# Altium PCB PJ_GRA_F.PcbDoc (part 1 of 2) (continued)
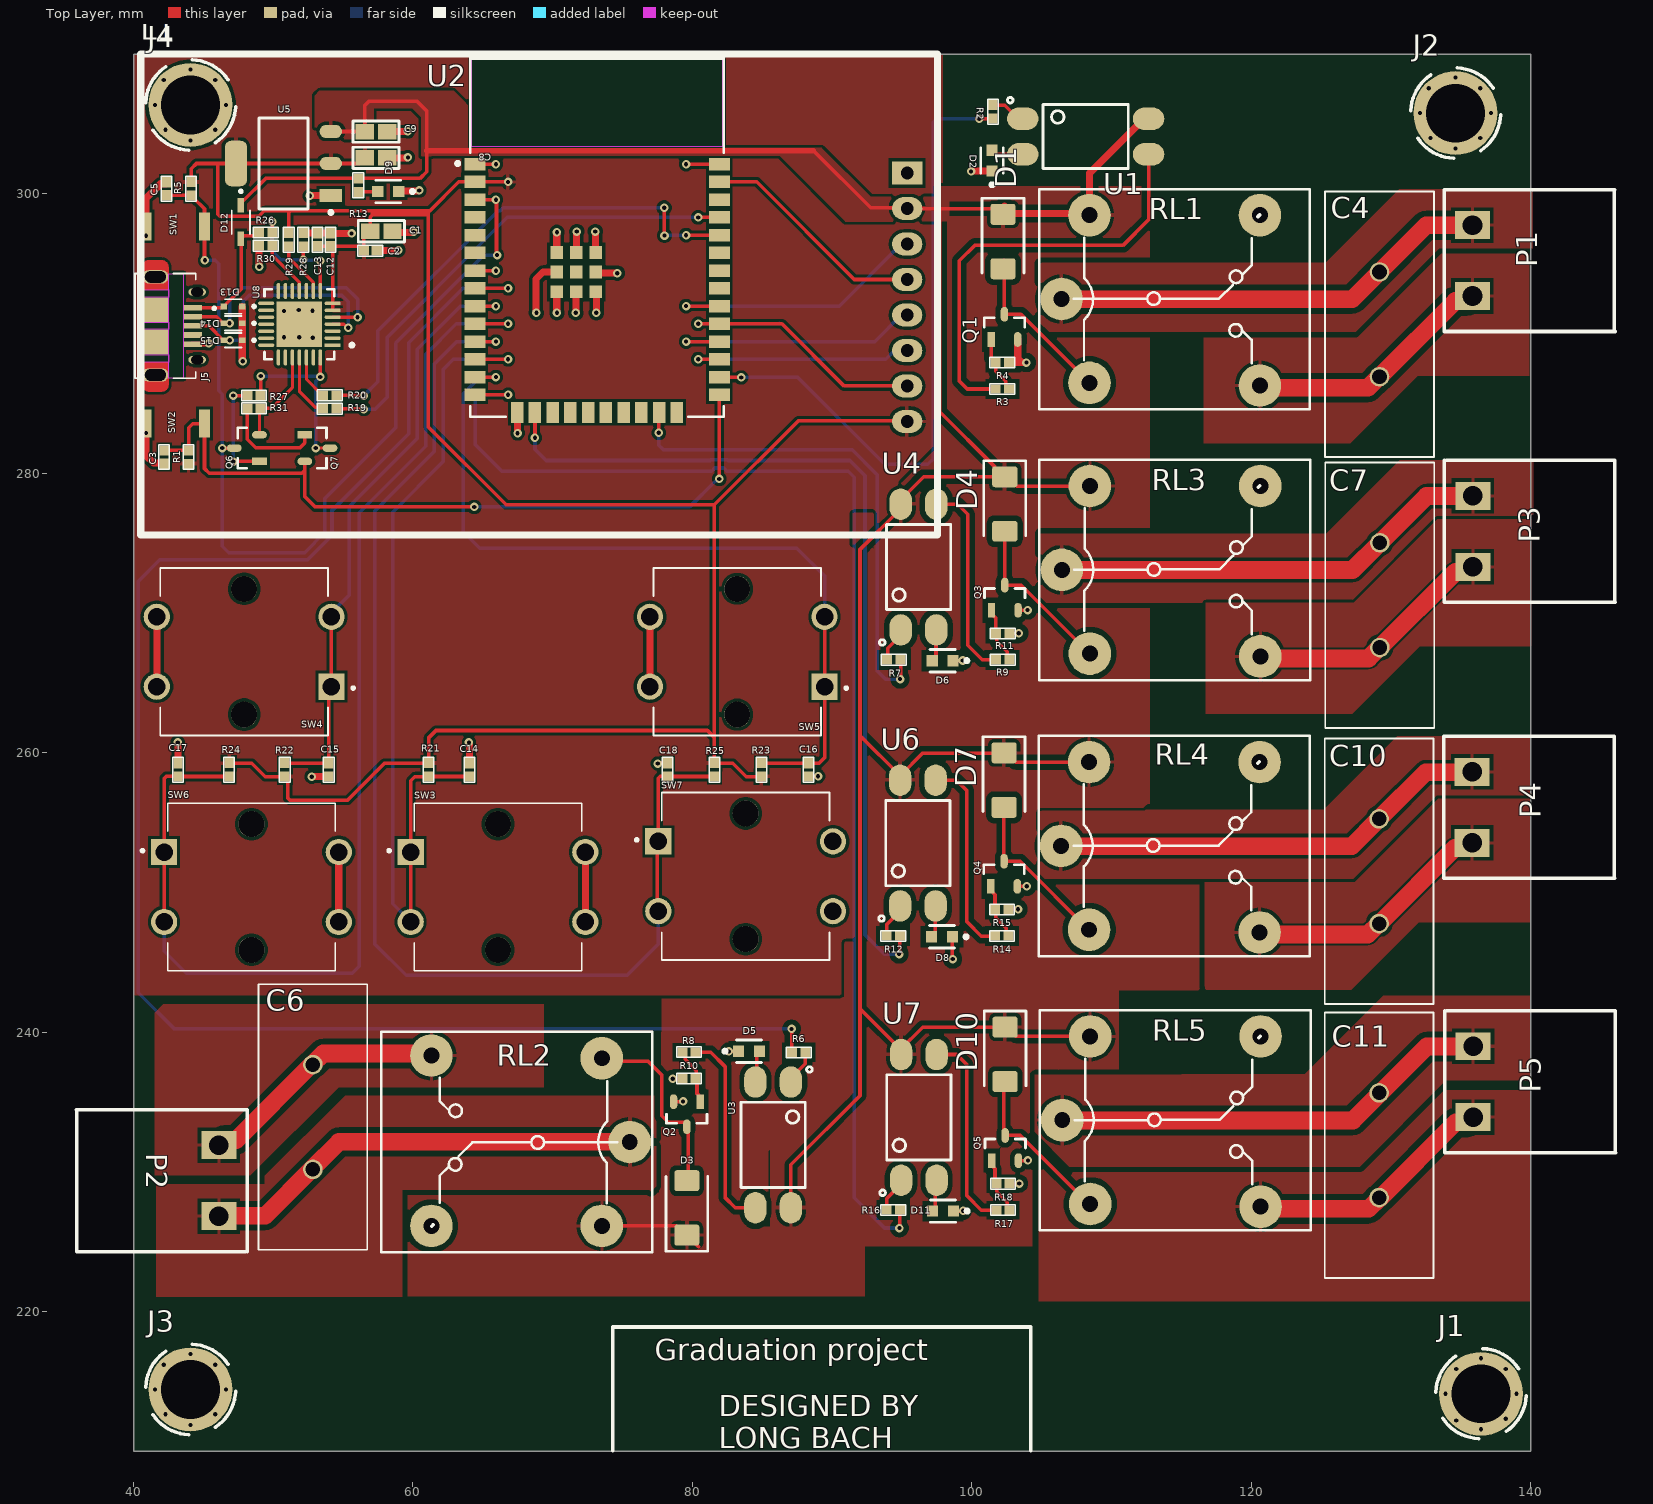
[diagram p0: Top Layer view]
## Footprints (in the part's own frame and the unit in brackets; to place one, negate y for a bottom-side part, rotate by r counter-clockwise, add the part's x,y. Pads: shape width x height; smd on the part's side, far side on the other; paste and mask are expansions set on the pad) (continued)
  Bottom Layer region: -2.6,-1.025 -4.2,-1.025 -4.226,-1.024 -4.252,-1.022 -4.278,-1.019 -4.304,-1.014 -4.329,-1.008 -4.355,-1.001 -4.379,-0.992 -4.403,-0.982 -4.427,-0.971 -4.45,-0.958 -4.472,-0.944 -4.494,-0.93 -4.515,-0.914 -4.535,-0.897 -4.554,-0.879 -4.572,-0.86 -4.589,-0.84 -4.605,-0.819 -4.619,-0.797 -4.633,-0.775 -4.646,-0.752 -4.657,-0.728 -4.667,-0.704 -4.676,-0.68 -4.683,-0.654 -4.689,-0.629 -4.694,-0.603 -4.697,-0.577 -4.699,-0.551 -4.7,-0.525 -4.7,-0.075 -3.925,-0.075 -3.925,-0.55 -3.925,-0.564 -3.923,-0.579 -3.922,-0.593 -3.919,-0.607 -3.916,-0.621 -3.912,-0.635 -3.907,-0.649 -3.901,-0.662 -3.895,-0.675 -3.888,-0.688 -3.881,-0.7 -3.872,-0.712 -3.864,-0.723 -3.854,-0.734 -3.844,-0.744 -3.834,-0.754 -3.823,-0.764 -3.812,-0.772 -3.8,-0.781 -3.787,-0.788 -3.775,-0.795 -3.762,-0.801 -3.749,-0.807 -3.735,-0.812 -3.721,-0.816 -3.707,-0.819 -3.693,-0.822 -3.679,-0.823 -3.664,-0.825 -3.384,-0.825 -3.369,-0.823 -3.353,-0.821 -3.338,-0.818 -3.322,-0.815 -3.307,-0.81 -3.292,-0.805 -3.278,-0.799 -3.264,-0.792 -3.25,-0.785 -3.237,-0.777 -3.224,-0.768 -3.211,-0.758 -3.199,-0.748 -3.188,-0.737 -3.177,-0.726 -3.167,-0.714 -3.157,-0.701 -3.148,-0.688 -3.14,-0.675 -3.133,-0.661 -3.126,-0.647 -3.12,-0.633 -3.115,-0.618 -3.11,-0.603 -3.107,-0.587 -3.104,-0.572 -3.102,-0.556 -3.1,-0.541 -3.1,-0.525 -3.1,-0.075 -2.6,-0.075
  Bottom Layer region: 4.226,0.874 4.252,0.872 4.278,0.869 4.304,0.864 4.329,0.858 4.355,0.851 4.379,0.842 4.403,0.832 4.427,0.821 4.45,0.808 4.472,0.794 4.494,0.78 4.515,0.764 4.535,0.747 4.554,0.729 4.572,0.71 4.589,0.69 4.605,0.669 4.619,0.647 4.633,0.625 4.646,0.602 4.657,0.578 4.667,0.554 4.676,0.53 4.683,0.504 4.689,0.479 4.694,0.453 4.697,0.427 4.699,0.401 4.7,0.375 4.7,-0.075 3.925,-0.075 3.925,0.4 3.925,0.414 3.923,0.429 3.922,0.443 3.919,0.457 3.916,0.471 3.912,0.485 3.907,0.499 3.901,0.512 3.895,0.525 3.888,0.538 3.881,0.55 3.872,0.562 3.864,0.573 3.854,0.584 3.844,0.594 3.834,0.604 3.823,0.614 3.812,0.622 3.8,0.631 3.787,0.638 3.775,0.645 3.762,0.651 3.749,0.657 3.735,0.662 3.721,0.666 3.707,0.669 3.693,0.672 3.679,0.673 3.664,0.675 3.384,0.675 3.369,0.673 3.353,0.671 3.338,0.668 3.322,0.665 3.307,0.66 3.292,0.655 3.278,0.649 3.264,0.642 3.25,0.635 3.237,0.627 3.224,0.618 3.211,0.608 3.199,0.598 3.188,0.587 3.177,0.576 3.167,0.564 3.157,0.551 3.148,0.538 3.14,0.525 3.133,0.511 3.126,0.497 3.12,0.483 3.115,0.468 3.11,0.453 3.107,0.437 3.104,0.422 3.102,0.406 3.1,0.391 3.1,0.375 3.1,-0.075 2.6,-0.075 2.6,0.875 4.2,0.875
  Keep-Out Layer region: -2.05,-1.025 -2.6,-1.025 -2.6,0.875 -2.05,0.875
  Keep-Out Layer region: 0.25,-1.025 -0.25,-1.025 -0.25,0.875 0.25,0.875
  Keep-Out Layer region: 2.6,-1.025 2.05,-1.025 2.05,0.875 2.6,0.875
  Keep-Out Layer region: 3.75,0.875 -3.75,0.875 -3.75,1.925 3.75,1.925
  Keep-Out Layer region: -2.05,-1.025 -2.6,-1.025 -2.6,0.875 -2.05,0.875
  Keep-Out Layer region: 0.25,-1.025 -0.25,-1.025 -0.25,0.875 0.25,0.875
  Keep-Out Layer region: 2.6,-1.025 2.05,-1.025 2.05,0.875 2.6,0.875
  Keep-Out Layer region: 3.75,-1.525 -3.75,-1.525 -3.75,-1.025 3.75,-1.025
  silkscreen extent -3.75,-1.53 3.75,4.24, body extent -4.05,-2.95 4.05,2.85, height 1.48
M4 [mm]
  round 6 / inner round 1.524 / far side round 6 hole 4.2: 1(1.778,-11.303)
  silkscreen extent -1.42,-14.54 5.01,-8.07
"Relay 5 Chan SRD" [mil] "Relay SPDT, 5 pin, 10A,W 650mil, L 800mil, H 800mil"
  round 120 hole 45: 1(0,0) 2(559.06,236.22) 3(559.06,-243.78) 4(78.74,-236.22) 5(78.74,236.22)
  silkscreen extent -63,-311 700,310, body extent -55,-306 697,304, height 602
SKRK [mm] "SWITCH TACT"
  rect 0.8x2 smd: 1(-2.1,0) 2(2.1,0)
  body extent -2.4,-1.45 2.4,1.45, height 2
SOD2513X120N [mm]
  rect 1.04x0.46 smd: A(1.19,0) C(-1.19,0)
  silkscreen extent -2.3,-0.65 0.85,0.65, body extent -1.25,-0.65 1.25,0.65, height 1.2
SOT254P1025X400-4N [mm]
  oval 2.25x1.6 smd: 1(-4.5,1.27) 2(-4.5,-1.27) 3(4.5,-1.27) 4(4.5,1.27)
  silkscreen extent -5.6,-2.3 3.05,2.8, body extent -4.87,-2.29 4.87,2.29, height 4
"ST7735 (OLED -1.8 INCH)" [mil]
  rect 85x65 hole 35.98: 1(530,815)
  oval 85x65 hole 35.98: 2(530,915) 3(530,1015) 4(530,1115) 5(530,1215) 6(530,1315) 7(530,1415) 8(530,1515)
  silkscreen extent 445,480 2690,1835, body extent 480,491 2677,1829, height 480
SW_B3F-4055 [mm]
  rect 1.875x1.875 hole 1.25: 1(-6.25,2.5)
  round 1.875 hole 1.25: 2(6.25,2.5) 3(-6.25,-2.5) 4(6.25,-2.5)
  round 1.85 hole 1.85 unplated: ""(0,-4.5) ""(0,4.5)
  silkscreen extent -7.9,-6 6,6, body extent -6.88,-6 6.88,6, height 10.5
TVS_LESD5D5.0CT1G [mm]
  rect 0.48x0.4 smd: 1(-0.66,0) 2(0.66,0)
  silkscreen extent -1.6,-0.52 0.6,0.52, body extent -0.8,-0.4 0.8,0.4, height 0.7

## Part data
C1 C8 C9: library part GRM188R60J226MEA0J, "CAP CER 22UF 6.3V X5R 0603", Capacitance=22uF, Case Code (Imperial)=0603, Case Code (Metric)=1608, Dielectric=X5R, LCSC part number=C426040, Manufacturer=Murata, Max Operating Temperature=85°C, Min Operating Temperature=-55°C, Package Quantity=10000, Supplier Part Number 1=490-7612-2-ND, Tolerance=20%, Voltage Rating=6.3V, Case/Package=0603, Category="Ceramic Capacitors", ComponentLink1Description=https://datasheet.ciiva.com/29541/partnumbering-e-01-29541598.pdf?src-supplier=Digikey, ComponentLink1URL=https://datasheet.ciiva.com/29541/partnumbering-e-01-29541598.pdf?src-supplier=Digikey, Height=1mm, Lead Free="Lead Free", Manufacturer Part Number=GRM188R60J226MEA0J, Material=Ceramic, Mount="Surface Mount", Packaging="Tape and Reel", Pricing 1="10000=0.0366, 20000=0.03467, 30000=0.03274, 50000=0.03082, 100000=0.026, 250000=0.02408 (USD)", RoHS=Yes, RoHS Compliant=Yes, Series=GRM, Stock 1=990000, Supplier 1=Digikey, Termination=SMD/SMT, Voltage Rating (DC)=6.3V, Weight=0.000222oz
C2 C3 C5 C13 C14 C15 C16 C17 C18: library part C1005X7R1H104K050BB, "CAP CER 0.1UF 50V X7R 0402", Capacitance=100nF, Case Code (Imperial)=0402, Case Code (Metric)=1005, Dielectric=X7R, LCSC part number=C2181015, Manufacturer=TDK, Max Operating Temperature=125°C, Min Operating Temperature=-55°C, Package Quantity=1, Tolerance=10%, Voltage=50V, Case/Package=0402, Category="Ceramic Capacitors", ComponentLink1Description=https://datasheet.ciiva.com/26285/2983c1005x7r1h104k050bb-26285417.pdf?src-supplier=Onlinecomponents.com, ComponentLink1URL=https://datasheet.ciiva.com/26285/2983c1005x7r1h104k050bb-26285417.pdf?src-supplier=Onlinecomponents.com, ComponentLink2Description=https://datasheet.ciiva.com/16427/c1005x7r1h104k050bb-16427685.pdf?src-supplier=Future+Electronics, ComponentLink2URL=https://datasheet.ciiva.com/16427/c1005x7r1h104k050bb-16427685.pdf?src-supplier=Future+Electronics, ComponentLink3Description=https://datasheet.ciiva.com/22725/1913358-22725482.pdf?src-supplier=Element14, ComponentLink3URL=https://datasheet.ciiva.com/22725/1913358-22725482.pdf?src-supplier=Element14, ComponentLink4Description=https://datasheet.ciiva.com/22725/1913358-22725480.pdf?src-supplier=Element14, ComponentLink4URL=https://datasheet.ciiva.com/22725/1913358-22725480.pdf?src-supplier=Element14, ComponentLink5Description=https://datasheet.ciiva.com/6292/tdkmlcccaprange-6292410.pdf?src-supplier=Digikey, ComponentLink5URL=https://datasheet.ciiva.com/6292/tdkmlcccaprange-6292410.pdf?src-supplier=Digikey, Construction=Flat, Depth=0.5mm, Height=0.5mm, Lead Free=5697LeadFree, Length=1mm, Manufacturer Part Number=C1005X7R1H104K050BB, Material=4241ConductorMaterial, Mount="Surface Mount", Number of Pins=2NUMBER, Packaging="Tape and Reel", Pricing 1="1=0.1, 10=0.053, 50=0.0302, 100=0.0235, 500=0.01766, 1000=0.01388, 2500=0.01262, 5000=0.01161 (USD)", Radiation Hardening=No, Reach SVHC Compliant=Unknown, RoHS=Yes, RoHS Compliant=Yes, Series=C, Stock 1=4299684, Supplier 1=Digikey, Thickness=0.022inch, Voltage Rating=50V, Width=0.02inch
C4 C6 C7 C10 C11: library part 470NF, "CAP 470nF 400V TH", Package=None, Availability=Unavailable, MP=ECQE4474RJT, PRICE=None
C12: library part CL05A475KQ5NRNC, "CAP CER 4.7UF 6.3V X5R 0402", Capacitance=4.7uF, Case Code (Imperial)=0402, Case Code (Metric)=1005, Dielectric=X5R, LCSC part number=C2932473, Manufacturer=Samsung, Max Operating Temperature=85°C, Min Operating Temperature=-55°C, Package Quantity=1, Tolerance=10%, Voltage Rating=6.3V, Case/Package=0402, Category="Ceramic Capacitors", ComponentLink1Description=https://datasheet.ciiva.com/25793/cl05a475kq5nrnc-25793634.pdf?src-supplier=Digikey, ComponentLink1URL=https://datasheet.ciiva.com/25793/cl05a475kq5nrnc-25793634.pdf?src-supplier=Digikey, ComponentLink2Description=https://datasheet.ciiva.com/26838/getdatasheetpartid-353228-26838196.pdf?src-supplier=Verical, ComponentLink2URL=https://datasheet.ciiva.com/26838/getdatasheetpartid-353228-26838196.pdf?src-supplier=Verical, Construction=Flat, Depth=0.5mm, Height=0.5mm, Lead Free="Lead Free", Length=1mm, Manufacturer Part Number=CL05A475KQ5NRNC, Material=4241ConductorMaterial, Mount="Surface Mount", Packaging="Tape and Reel", Pricing 1="10000=0.00979 (USD)", Radiation Hardening=No, RoHS=Yes, RoHS Compliant=Yes, Series=CL, Stock 1=2440000, Supplier 1=Avnet, Thickness=0.022inch, Width=0.02inch
D1 D3 D4 D7 D10: library part M7, "DO-214AC/SMA, 1000V, 1.00A", Manufacturer=Diotec, Category="Rectifier Diodes", ComponentLink1Description=https://datasheet.octopart.com/M7-Diotec-datasheet-113243034.pdf?src-supplier=TME, ComponentLink1URL=https://datasheet.octopart.com/M7-Diotec-datasheet-113243034.pdf?src-supplier=TME, Manufacturer Part Number=M7, Pricing 1="7500=0.0111, 15000=0.011, 37500=0.0109, 45000=0.0093, 52500=0.0092, 187500=0.008 (USD)", RoHS=Yes, Stock 1=202500, Supplier 1="Arrow Electronics"
D2 D5 D6 D8 D9 D11: library part VLMS1300-GS08, "LED RED 0603 SMD", Case Code (Imperial)=0603, Case Code (Metric)=1608, Color=Red, Forward Current=20mA, Forward Voltage=2V, LCSC part number=C83242, Manufacturer="Vishay Semiconductors", Max Operating Temperature=85°C, Min Operating Temperature=-35°C, Package Quantity=1, Power Rating=75mW, Case/Package=0603, Category=LEDs, ComponentLink1Description=https://datasheet.ciiva.com/26322/vlmo1300-26322153.pdf?src-supplier=Element14, ComponentLink1URL=https://datasheet.ciiva.com/26322/vlmo1300-26322153.pdf?src-supplier=Element14, ComponentLink2Description=https://datasheet.ciiva.com/8028/vlmo1300-8028047.pdf?src-supplier=Element14, ComponentLink2URL=https://datasheet.ciiva.com/8028/vlmo1300-8028047.pdf?src-supplier=Element14, ComponentLink3Description=https://datasheet.ciiva.com/9333/vlmo1300-9333743.pdf?src-supplier=Avnet, ComponentLink3URL=https://datasheet.ciiva.com/9333/vlmo1300-9333743.pdf?src-supplier=Avnet, ComponentLink4Description=https://datasheet.ciiva.com/2114/vlmo1300-2114929.pdf?src-supplier=Digikey, ComponentLink4URL=https://datasheet.ciiva.com/2114/vlmo1300-2114929.pdf?src-supplier=Digikey, ComponentLink5Description=https://datasheet.ciiva.com/16510/vlmo1300-16510985.pdf?src-supplier=Future+Electronics, ComponentLink5URL=https://datasheet.ciiva.com/16510/vlmo1300-16510985.pdf?src-supplier=Future+Electronics, Dominant Wavelength=631nm, Height=0.8mm, Illumination Color=Red, Lead Free="Lead Free", Length=1.6mm, Lens Style=Rectangular,Clear, Luminous Intensity=54mcd, Manufacturer Part Number=VLMS1300-GS08, Mount="Surface Mount", Number of LEDs=1, Packaging="Tape and Reel", Pricing 1="1=0.287, 25=0.232, 50=0.166 (USD)", Radiation Hardening=No, Reach SVHC Compliant=Unknown, RoHS=Yes, RoHS Compliant=Yes, Series=CHipLED, Stock 1=880, Supplier 1=Avnet, Test Current=20mA, Viewing Angle=130°, Wavelength=631nm, Width=0.8mm
D12: "Schottky Diode,Vrrm=30V, Vr=21V, I=1A, IFSM=5.5A", LCSC part number=C124187, Manufacturer=Diodes, Category="Rectifier Diodes", ComponentLink1Description=https://datasheet.ciiva.com/8301/ds30498-8301400.pdf?src-supplier=Avnet, ComponentLink1URL=https://datasheet.ciiva.com/8301/ds30498-8301400.pdf?src-supplier=Avnet, ComponentLink2Description=https://datasheet.ciiva.com/4715/ds30498-63155-4715521.pdf?src-supplier=Mouser, ComponentLink2URL=https://datasheet.ciiva.com/4715/ds30498-63155-4715521.pdf?src-supplier=Mouser, ComponentLink3Description=https://datasheet.ciiva.com/1178/ds30498-1178033.pdf?src-supplier=Element14, ComponentLink3URL=https://datasheet.ciiva.com/1178/ds30498-1178033.pdf?src-supplier=Element14, ComponentLink4Description=https://datasheet.ciiva.com/22695/1670989-22695799.pdf?src-supplier=Element14, ComponentLink4URL=https://datasheet.ciiva.com/22695/1670989-22695799.pdf?src-supplier=Element14, ComponentLink5Description=https://datasheet.ciiva.com/914/ds30498-914551.pdf?src-supplier=Digikey, ComponentLink5URL=https://datasheet.ciiva.com/914/ds30498-914551.pdf?src-supplier=Digikey, ComponentLink6Description=https://datasheet.ciiva.com/914/ds30498-914552.pdf?src-supplier=Digikey, ComponentLink6URL=https://datasheet.ciiva.com/914/ds30498-914552.pdf?src-supplier=Digikey, ComponentLink7Description=https://datasheet.ciiva.com/914/ds30498-914553.pdf?src-supplier=Digikey, ComponentLink7URL=https://datasheet.ciiva.com/914/ds30498-914553.pdf?src-supplier=Digikey, Manufacturer Part Number=BAT760-7, Pricing 1="3000=0.05096 (USD)", RoHS=Yes, Stock 1=36000, Supplier 1=Avnet
D13 D14 D15: library part AQ3045-01ETG, "TVS DIODE 5.3VWM 12VC SOD882", LCSC part number=C3710326, Leakage Current=100nA, Manufacturer=Littelfuse, Max Operating Temperature=150°C, Min Breakdown Voltage=6.8V, Min Operating Temperature=-55°C, Operating Supply Voltage=5.3V, Peak Pulse Current=3A, Peak Pulse Power=40W, Power Line Protection=No, Category="TVS Diodes", ComponentLink1Description=https://www.littelfuse.com/~/media/electronics/datasheets/tvs_diode_arrays/littelfuse_tvs_diode_array_aq3045_datasheet.pdf.pdf?src-supplier=Digikey, ComponentLink1URL=https://www.littelfuse.com/~/media/electronics/datasheets/tvs_diode_arrays/littelfuse_tvs_diode_array_aq3045_datasheet.pdf.pdf?src-supplier=Digikey, ComponentLink2Description=http://www.littelfuse.com/~/media/electronics/datasheets/tvs_diode_arrays/littelfuse_tvs_diode_array_aq3045_datasheet.pdf.pdf?src-supplier=Digikey, ComponentLink2URL=http://www.littelfuse.com/~/media/electronics/datasheets/tvs_diode_arrays/littelfuse_tvs_diode_array_aq3045_datasheet.pdf.pdf?src-supplier=Digikey, Diode Type=ZENER, Manufacturer Part Number=AQ3045-01ETG, Mount="Surface Mount", Number of Bidirectional Channels=1, Number of Channels=1NUMBER, Packaging="Cut Tape", Pricing 1="1=0.5, 10=0.391, 100=0.2344, 500=0.217, 1000=0.14756, 2000=0.13585, 5000=0.1302 (USD)", Reverse Standoff Voltage=5.3V, RoHS=Yes, RoHS Compliant=Yes, Series="Automotive, AEC-Q101, AQ3045, SPA®", Stock 1=15483, Supplier 1=Digikey
J5: library part "USB MICRO B 5 PIN", "USB 2.0 1.8A 1 Surface Mount，Right Angle 5P Female -30℃~+80℃ Micro-B SMD USB Connectors ROHS", LCSC part number=C668587
L1: library part "ST7735 (OLED -1.8 inch)", "32RGB x 162dot 262K Color with Frame Memory Single-Chip TFT Controller/Driver"
P1 P2 P3 P4 P5: "Cắm", Chung_Loai=Cắm, Don_Vi=Con, Ma_Hang=MH000759, Ten_Linh_Kien="CON 2 2EDG5.08-2P 5.08MM ( Xanh Cong)"
Q1 Q2 Q3 Q4 Q5 Q6 Q7: library part SS8050-G, "TRANS NPN 25V 1.5A SOT23-3", Case/Package=TO-236-3, Collector Base Voltage (VCBO)=40V, Collector Emitter Breakdown Voltage=25V, Collector Emitter Saturation Voltage=500mV, Collector-emitter Voltage-Max=400mV, Emitter Base Voltage (VEBO)=5V, LCSC part number=C3199946, Manufacturer=Comchip, Max Collector Current=1.5A, Max Operating Temperature=150°C, Max Power Dissipation=300mW, Transition Frequency=100MHz, Category=Transistors, ComponentLink1Description="http://www.comchiptech.com/admin/files/product/SS8050-G RevA181526.pdf?src-supplier=Digikey", ComponentLink1URL="http://www.comchiptech.com/admin/files/product/SS8050-G RevA181526.pdf?src-supplier=Digikey", Height=1.15mm, hFE Min=200, Manufacturer Part Number=SS8050-G, Max Breakdown Voltage=25V, Mount="Surface Mount", Number of Elements=1, Packaging="Cut Tape", Power Dissipation=300mW, Pricing 1="1=0.29, 10=0.2, 100=0.0978, 500=0.08154, 1000=0.05666 (USD)", RoHS=Yes, RoHS Compliant=Yes, Series=-, Stock 1=89520, Supplier 1=Digikey
R1 R5 R21 R22 R23 R24 R25 R27 R30 R31: library part AC0402FR-0710KL, "RES SMD 10K OHM 1% 1/16W 0402", Case Code (Imperial)=0402, Case Code (Metric)=1005, LCSC part number=C144807, Manufacturer=Yageo, Max Operating Temperature=155°C, Max Power Dissipation=63mW, Min Operating Temperature=-55°C, Power Rating=62.5mW, Resistance=10kR, Temperature Coefficient=100ppm/°C, Tolerance=1%, Voltage Rating=50V, Case/Package=0402, Category="Chip SMD Resistors", ComponentLink1Description=https://datasheet.ciiva.com/12656/pyu-ac-51-rohs-l-2-12656634.pdf?src-supplier=Mouser, ComponentLink1URL=https://datasheet.ciiva.com/12656/pyu-ac-51-rohs-l-2-12656634.pdf?src-supplier=Mouser, Features="Moisture Resistant,Automotive AEC-Q200", Height=0.015inch, Lead Free="Lead Free", Length=0.039inch, Manufacturer Part Number=AC0402FR-0710KL, Number of Terminations=2, Packaging="Tape and Reel", Pricing 1="10000=0.00343, 20000=0.00304, 30000=0.00284, 50000=0.00263, 100000=0.00237 (USD)", RoHS=Yes, RoHS Compliant=Yes, Series=AC, Size Code=0402, Stock 1=1860000, Supplier 1=Digikey, Termination=SMD/SMT, Width=0.02inch
R2 R3 R4 R6 R7 R8 R9 R10 R11 R12 R13 R14 R15 R16 R17 R18 R29: library part AC0402FR-072KL, "RES SMD 2K OHM 1% 1/16W 0402", Case Code (Imperial)=0402, Case Code (Metric)=1005, LCSC part number=C144770, Manufacturer=Yageo, Max Operating Temperature=155°C, Max Power Dissipation=63mW, Min Operating Temperature=-55°C, Power Rating=62.5mW, Resistance=2kR, Temperature Coefficient=100ppm/°C, Tolerance=1%, Voltage Rating=50V, Case/Package=0402, Category="Chip SMD Resistors", ComponentLink1Description=https://datasheet.ciiva.com/12576/pyu-ac-51-rohs-l-2-12576349.pdf?src-supplier=Mouser, ComponentLink1URL=https://datasheet.ciiva.com/12576/pyu-ac-51-rohs-l-2-12576349.pdf?src-supplier=Mouser, Features="Moisture Resistant,Automotive AEC-Q200", Height=0.015inch, Lead Free="Lead Free", Length=0.039inch, Manufacturer Part Number=AC0402FR-072KL, Number of Terminations=2, Packaging="Tape and Reel", Pricing 1="10000=0.00115 (USD)", RoHS=Yes, RoHS Compliant=Yes, Series=AC, Size Code=0402, Stock 1=10000, Supplier 1=Avnet, Termination=SMD/SMT, Weight=2.3E-05oz, Width=0.5mm
R19 R20: library part RC0402JR-070RL, "GENERAL PURPOSE CHIP RESISTOR Metal Glaze/thick Film, 0.0625W, 0ohm, Surface Mount, 0402", Case Code (Imperial)=0402, Case Code (Metric)=1005, LCSC part number=C60485, Manufacturer=Yageo, Max Operating Temperature=155°C, Max Power Dissipation=63mW, Min Operating Temperature=-55°C, Package Quantity=1, Power Rating=62.5mW, Resistance=0mR, Resistance Tolerance=5%, Resistor Type="Thick Film", Temperature Coefficient=200ppm/°C, Voltage Rating=50V, Case/Package=0402, Category="Chip SMD Resistors", Construction=Rectangular, Contact Plating=Tin,Matte, Depth=0.5mm, Features="Moisture Resistant", Height=0.016inch, Lead Free=5697LeadFree, Length=1mm, Manufacturer Part Number=RC0402JR-070RL, Military Standard=Not, Number of Terminations=2, Packaging="Tape and Reel", Pricing 1="10000=0.0008 (USD)", Reach SVHC Compliant=Unknown, RoHS=Yes, RoHS Compliant=Yes, Series=RC, Size Code=0402, Stock 1=720000, Supplier 1=Avnet, Technology="THICK FILM", Termination=SMD/SMT, Tolerance=5%, Width=0.02inch
R26: library part CRCW040222K1FKED, "RES 22.1K OHM 1% 1/16W 0402", Case Code (Imperial)=0402, Case Code (Metric)=1005, LCSC part number=C3957064, Manufacturer=Vishay, Max Operating Temperature=155°C, Max Power Dissipation=63mW, Min Operating Temperature=-55°C, Package Quantity=10000, Ratings=AEC-Q200, Resistance=22.1kR, Resistance Tolerance=1%, Resistor Type="Thick Film", Temperature Coefficient=100ppm/°C, Voltage Rating=50V, Case/Package=0402, Category="Chip SMD Resistors", ComponentLink1Description=https://datasheet.ciiva.com/11810/0900766b80d98824-11810184.pdf?src-supplier=Rs, ComponentLink1URL=https://datasheet.ciiva.com/11810/0900766b80d98824-11810184.pdf?src-supplier=Rs, ComponentLink2Description=https://datasheet.ciiva.com/7673/1697337-7673245.pdf?src-supplier=Element14, ComponentLink2URL=https://datasheet.ciiva.com/7673/1697337-7673245.pdf?src-supplier=Element14, ComponentLink3Description=https://datasheet.ciiva.com/7673/1697337-7673445.pdf?src-supplier=Element14, ComponentLink3URL=https://datasheet.ciiva.com/7673/1697337-7673445.pdf?src-supplier=Element14, ComponentLink4Description=https://datasheet.ciiva.com/3256/dcrcwe3-3256246.pdf?src-supplier=Avnet, ComponentLink4URL=https://datasheet.ciiva.com/3256/dcrcwe3-3256246.pdf?src-supplier=Avnet, ComponentLink5Description=https://datasheet.ciiva.com/3256/dcrcwe3-3256247.pdf?src-supplier=Avnet, ComponentLink5URL=https://datasheet.ciiva.com/3256/dcrcwe3-3256247.pdf?src-supplier=Avnet, ComponentLink6Description=https://datasheet.ciiva.com/22871/70201119-22871080.pdf?src-supplier=Allied+Electronics, ComponentLink6URL=https://datasheet.ciiva.com/22871/70201119-22871080.pdf?src-supplier=Allied+Electronics, ComponentLink7Description=https://datasheet.ciiva.com/16208/dcrcwe3-16208744.pdf?src-supplier=Future+Electronics, ComponentLink7URL=https://datasheet.ciiva.com/16208/dcrcwe3-16208744.pdf?src-supplier=Future+Electronics, ComponentLink8Description=https://datasheet.ciiva.com/16771/70201119-16771838.pdf?src-supplier=Allied+Electronics, ComponentLink8URL=https://datasheet.ciiva.com/16771/70201119-16771838.pdf?src-supplier=Allied+Electronics, Construction=Rectangular, Contact Plating=Tin, Depth=0.5mm, Features="Automotive AEC-Q200", Height=0.35mm, Lead Free="Lead Free", Length=1mm, Manufacturer Part Number=CRCW040222K1FKED, Military Standard=Not, Number of Pins=2, Number of Terminations=2, Packaging="Tape and Reel", Power Rating=63mW, Pricing 1="10000=0.00278, 20000=0.00269, 40000=0.0026, 60000=0.00251, 80000=0.00241, 100000=0.0023, 1000000=0.00219 (USD)", Reach SVHC Compliant=Unknown, RoHS=Yes, RoHS Compliant=Yes, Series=CRCW, Stock 1=290000, Supplier 1=Avnet, Technology="THICK FILM", Termination=SMD/SMT, Tolerance=1%, Voltage Rating (DC)=50V, Weight=2.3E-05oz, Width=0.5mm, Working Voltage=50V
R28: library part RC0402FR-0747K5L, "RES 47.5K OHM 1% 1/16W 0402", Case Code (Imperial)=0402, Case Code (Metric)=1005, LCSC part number=C137974, Manufacturer=Yageo, Max Operating Temperature=155°C, Max Power Dissipation=63mW, Min Operating Temperature=-55°C, Power Rating=62.5mW, Resistance=47.5kR, Resistance Tolerance=1%, Resistor Type="Thick Film", Temperature Coefficient=100ppm/°C, Voltage Rating=50V, Case/Package=0402, Category="Chip SMD Resistors", ComponentLink1Description=https://datasheet.ciiva.com/12667/pyu-rc0402-51-rohs-l-6-r-12667103.pdf?src-supplier=Mouser, ComponentLink1URL=https://datasheet.ciiva.com/12667/pyu-rc0402-51-rohs-l-6-r-12667103.pdf?src-supplier=Mouser, Features="Moisture Resistant", Lead Free="Lead Free", Manufacturer Part Number=RC0402FR-0747K5L, Number of Terminations=2, Packaging="Tape and Reel", Pricing 1="10000=0.0016 (USD)", Reach SVHC Compliant=No, RoHS=Yes, RoHS Compliant=Yes, Series=RC, Size Code=0402, Stock 1=930000, Supplier 1="Arrow Electronics", Termination=SMD/SMT, Tolerance=1%, Voltage Rating (DC)=50V
RL1 RL2 RL3 RL4 RL5: library part "Relay 5 Chan SRD", "Relay 5 Chan", Ma_Hang=MH009374, Ten="Relay 5V10A SRD-05VDC-SL-C Chính Hãng"
SW1 SW2: library part "Tact Switch  2P", "reset button, 2-pin, 3x4x2, SMT"
SW3 SW4 SW5 SW6 SW7: "12x12", Package=None, Availability=Unavailable, MP=B3F-4055, PRICE=None
U1 U3 U4 U6 U7: "Optoisolator Transistor Output 5000Vrms 1 Channel 4-SMD", Package="SMD-4 SOCLE Technology", Availability="In Stock", Check_prices=https://www.snapeda.com/parts/PC81713NIP0X/SHARP%252FSocle+Technology/view-part/?ref=eda, MF="SHARP/Socle Technology", MP=PC81713NIP0X, PRICE=None, Purchase-URL=https://pricing.snapeda.com/search/part/PC81713NIP0X/?ref=eda, SnapEDA_Link=https://www.snapeda.com/parts/PC81713NIP0X/SHARP%252FSocle+Technology/view-part/?ref=snap
U2: "Wi-Fi/BT BLE Module ESP32-D0WD, SPI Flash, UART, PCB antenna", LCSC part number=C473012, Manufacturer="Espressif Systems", Supplier Part Number 1=1965-ESP32-WROOM-32D-N4TR-ND, Category=LDO, ComponentLink1Description=https://datasheet.octopart.com/ESP32-WROOM-32D-N4-Espressif-Systems-datasheet-125773146.pdf?src-supplier=TME, ComponentLink1URL=https://datasheet.octopart.com/ESP32-WROOM-32D-N4-Espressif-Systems-datasheet-125773146.pdf?src-supplier=TME, ComponentLink2Description=https://datasheet.octopart.com/ESP32-WROOM-32D-N4-Espressif-Systems-datasheet-152560788.pdf?src-supplier=SOS+electronic, ComponentLink2URL=https://datasheet.octopart.com/ESP32-WROOM-32D-N4-Espressif-Systems-datasheet-152560788.pdf?src-supplier=SOS+electronic, Manufacturer Part Number=ESP32-WROOM-32D-N4, Pricing 1="6500=3.8 (USD)", RoHS=No, Supplier 1=Digikey
U5: library part "AMS1117-3.3 (2)", "IC Ldo Reg 3.3V 1A SOT223", LCSC part number=C347222, Manufacturer=Revvo, Manufacturer Part Number=AMS1117-3.3, Pricing 1="1=0.43, 10=0.349, 25=0.3196, 100=0.2379, 250=0.2156, 500=0.17844, 1000=0.13382 (USD)", RoHS=No, Supplier 1=Digikey
U8: library part CP2102N-A01-GQFN28, "USB-to-UART,USB2.0 full speed, data rate up to 3M baud", LCSC part number=C105167

## Via types
v1: diameter 0.61, hole 0.305, Top Layer to Bottom Layer, 124 vias
v2: diameter 0.61/0.61 (per signal layer), hole 0.305, Top Layer to Bottom Layer, 1 vias

## Nets (pads, with @x,y where several pads share a name; then routed paths per layer and width w, separated by ;. In a path a pad name is that pad's centre, name@x,y a point inside that pad or via, vN(x,y) a via of type N, cw(c..) or ccw(c..) an arc to the next point about the centre after c; other vN are vias at no path point)
3V3: C1.2 C2.2 C8.2 C12.2 C13.2 L1.8 R1.2 R5.2 R21.2 R22.2 R23.2 R24.2 R25.2 R29.1 U2.2 U5.2 U5.4 U8.6 U8.7 | length 172.8
  Top Layer w0.254: R5.2@44.12,300.859 44.12,301.803 44.501,302.184 46.025,302.184 ; R24.2@46.838,259.254 48.468,259.254 49.425,258.297 R22.2@50.825,258.297 51.029,258.093 51.029,256.765 51.177,256.616 55.321,256.616 57.959,259.254 R21.2@61.112,259.254 61.112,261.061 61.646,261.595 81.077,261.595 81.576,261.095 ; R29.1@51.105,297.201 51.105,298.657 51.254,298.806 ; C13.2@53.162,296.256 C12.2@54.102,296.256 ; U8.6@54.243,291.678 U8.7@54.243,292.178 54.243,296.115 C12.2@54.102,296.256 ; C8.2@56.553,302.59 56.146,302.184 U5.2@54.119,302.184 U5.4@47.329,302.184 46.025,302.184 ; C1.2@56.906,297.332 56.48,296.906 C2.2@56.48,295.935 56.447,295.935 56.126,296.256 C12.2@54.102,296.256 ; C1.2@57.033,297.332 C1.2@56.934,297.332 56.934,298.351 57.16,298.577 ; 60.985,298.577 61.1,298.691 ; v1@66.827,300.888 v1(66.803,300.864) U2.2@64.426,300.864 63.273,300.864 61.214,298.806 ; R23.2@84.946,258.297 83.855,258.297 82.898,259.254 R25.2@81.576,259.254 81.576,261.095 ; L1.8@95.377,283.769 87.596,283.769 81.576,277.749 ; 46.025,302.184 46.025,298.558 46.174,298.409 48.955,298.409 49.352,298.806 51.254,298.806 ; 51.254,298.806 61.214,298.806 ; 61.1,298.691 61.1,298.577 61.1,283.324 66.675,277.749 81.576,277.749 ; 61.1,298.691 61.214,298.806 ; 81.576,261.095 81.576,277.749
  Top Layer w0.381: 57.16,298.577 60.985,298.577